# Allegro board 8880F5-0824_updates.brd (continued)
## Routing (per net, layer and track width the routed paths; a pad name or vN(x,y) marks a point on that pad's centre or on a via; arc(x,y) is an arc through that point) (continued)
D10708: length 833.7
  TOP w0.086: SITE4.80 343.98,190.03 344.06,189.95 349.1,189.95 349.92,190.77 355.78,190.77 v1(356.24,191.23)
  L07_SIGNAL w0.071: v1(409.21,157.67) 408.74,157.2 408.74,155.92 398.81,145.99 398.81,125.73 400.56,123.97 413.94,123.97 429.86,108.05 482.92,108.05 483.49,108.62 483.49,109.29 482.85,109.93 438.17,109.93 437.12,110.98 437.12,112.17 438.24,113.3 511.84,113.3 519.08,106.06 519.08,63.57 516.8,61.29 510.47,61.29 507.49,58.31 507.49,56.59 506.51,55.6 444.21,55.6 443.41,54.8 443.41,53.32 444.21,52.51 518.44,52.51 519.11,51.85 519.11,51 518.44,50.34 443.9,50.34 443.21,49.65 443.21,49.25 443.8,48.66 464.24,48.66 464.69,48.2 464.69,47.42 464.1,46.83 442.66,46.83 441.61,47.89 441.61,53.75 428.51,66.85 428.51,87.08 422.15,93.43 379.98,93.43 373.51,86.96 373.51,68.79 379.59,62.71 395.98,62.71 396.72,61.98 396.72,60.48 D107.08
  L30_SIGNAL w0.071: v1(356.24,191.23) 356.72,190.76 361.04,190.76 364.09,187.71 367.52,187.71 370.88,184.35 400.22,184.35 403.23,181.35 403.23,163.54 406.88,159.89 408.32,159.89 408.74,159.46 408.74,158.14 v1(409.21,157.67)
D10709: length 833.7
  TOP w0.086: SITE4.102 334.23,197.78 334.15,197.86 334.15,202.58 335.64,204.07 335.64,208.51 v1(336.07,208.93)
  L05_SIGNAL w0.071: D107.09 403.22,53.98 403.22,49.89 405.32,47.79 424.12,47.79 452.17,19.73 499.22,19.73 503.3,15.65 560.45,15.65 566.08,21.28 566.08,239.9 562.64,243.34 509.54,243.34 507.58,241.37 507.58,239.41 509.62,237.37 562.46,237.37 563.16,236.67 563.16,234.81 562.14,233.79 487.98,233.79 484.14,229.95 484.14,227.42 483.54,226.82 473.87,226.82 472.05,228.64 443.4,228.64 440.3,225.54 440.3,186.24 432.75,178.69 418.15,178.69 414.33,182.52 413.29,182.52 v1(412.81,182.99)
  L32_SIGNAL w0.071: v1(412.81,182.99) 412.32,182.5 410.13,182.5 405.46,187.17 405.46,188.6 404.54,189.52 369.32,189.52 367.12,191.71 362.46,191.71 361.14,190.4 359.68,190.4 357.4,192.67 348.22,192.67 335.6,205.3 335.6,208.46 v1(336.07,208.93)
D10710: length 833.7
  TOP w0.086: v1(359.29,187.66) 358.84,188.11 344.06,188.11 343.98,188.03 SITE4.75
  L07_SIGNAL w0.071: v1(421.02,160.85) 421.5,160.37 421.5,159.71 422.1,159.1 437.85,159.1 444.44,152.51 444.44,128.31 450.77,121.98 519.53,121.98 526.96,114.55 526.96,27.12 526.09,26.25 521.14,26.25 520.03,25.14 520.03,24.13 520.85,23.31 525.36,23.31 525.84,22.83 525.84,22.17 524.96,21.29 440.3,21.29 439.81,20.8 439.81,20.26 440.31,19.75 523.13,19.75 524.03,18.85 524.03,17.73 523.12,16.83 518.3,16.83 517.83,16.36 517.83,15.57 518.27,15.14 519.91,15.14 520.4,14.65 520.4,14.11 520.05,13.75 448.52,13.75 447.74,12.97 447.74,12.19 448.37,11.57 516.3,11.57 516.9,10.96 516.9,10.39 516.47,9.96 448.76,9.96 435.6,23.12 435.6,50.11 423.01,62.71 407.11,62.71 406.66,62.27 406.66,61.16 406.02,60.52 405.96,60.52 D107.10
  L30_SIGNAL w0.071: v1(421.02,160.85) 421.5,161.32 421.5,162.24 421.07,162.68 418.82,162.68 418.3,162.16 418.3,159.59 414.98,156.26 405.77,156.26 399.36,162.67 399.36,180.64 398.02,181.98 367.67,181.98 361.53,188.13 359.76,188.13 v1(359.29,187.66)
D10711: length 833.7
  TOP w0.086: SITE4.103 333.83,197.78 333.91,197.86 333.91,202.68 335.4,204.17 335.4,208.46 v1(334.93,208.93)
  L05_SIGNAL w0.071: v1(412.81,181.84) 413.29,182.32 414.25,182.32 418.07,178.5 432.83,178.5 440.5,186.16 440.5,225.46 443.48,228.44 471.97,228.44 473.79,226.62 483.62,226.62 484.34,227.34 484.34,229.87 488.07,233.59 562.23,233.59 563.36,234.73 563.36,236.75 562.54,237.57 509.7,237.57 507.78,239.49 507.78,241.29 509.63,243.14 562.55,243.14 565.88,239.82 565.88,21.36 560.37,15.85 503.38,15.85 499.3,19.93 452.25,19.93 424.2,47.98 405.41,47.98 403.42,49.97 403.42,53.22 404.1,53.91 404.43,53.91 D107.11
  L32_SIGNAL w0.071: v1(334.93,208.93) 335.4,208.46 335.4,205.22 348.14,192.47 357.32,192.47 359.6,190.2 361.23,190.2 362.54,191.52 367.04,191.52 369.23,189.32 404.45,189.32 405.26,188.51 405.26,187.08 410.05,182.3 412.36,182.3 v1(412.81,181.84)
D10712: length 833.7
  TOP w0.086: v1(359.29,188.8) 358.84,188.35 344.06,188.35 343.98,188.43 SITE4.76
  L07_SIGNAL w0.071: v1(422.17,160.85) 421.7,160.37 421.7,159.79 422.18,159.3 437.93,159.3 444.64,152.59 444.64,128.4 450.85,122.18 519.61,122.18 527.16,114.63 527.16,27.03 526.18,26.05 521.22,26.05 520.23,25.06 520.23,24.22 520.94,23.51 525.44,23.51 526.03,22.91 526.03,22.09 525.04,21.09 440.38,21.09 440,20.72 440,20.34 440.39,19.95 523.21,19.95 524.23,18.93 524.23,17.65 523.21,16.63 518.38,16.63 518.03,16.28 518.03,15.66 518.35,15.34 519.99,15.34 520.6,14.73 520.6,14.02 520.13,13.56 448.61,13.56 447.94,12.89 447.94,12.27 448.45,11.77 516.38,11.77 517.1,11.04 517.1,10.31 516.55,9.76 448.68,9.76 435.4,23.03 435.4,50.03 422.92,62.51 407.19,62.51 406.86,62.18 406.86,60.5 D107.12
  L30_SIGNAL w0.071: v1(359.29,188.8) 359.76,188.33 361.61,188.33 367.76,182.18 398.1,182.18 399.56,180.72 399.56,162.76 405.86,156.46 414.9,156.46 418.11,159.67 418.11,162.24 418.74,162.87 421.15,162.87 421.7,162.32 421.7,161.31 v1(422.17,160.85)
D10713: length 833.7
  TOP w0.086: v1(345.72,207.21) 345.28,206.78 345.28,206.31 344.35,205.37 344.35,204.04 338.55,198.23 338.55,197.86 338.63,197.78 SITE4.91
  L05_SIGNAL w0.071: v1(421.53,157.67) 422,158.14 422,159.27 422.49,159.76 423.92,159.76 426.21,162.05 426.21,167.75 444.09,185.63 444.09,219.12 445.96,221 460.3,221 461.37,222.07 461.37,222.96 462.52,224.11 546.38,224.11 547.55,225.28 547.55,226.95 546.31,228.18 494.44,228.18 493.88,228.75 493.88,231.13 494.92,232.18 562.29,232.18 563.83,230.64 563.83,30.77 555.75,22.69 453.57,22.69 427.4,48.86 416.28,48.86 412.79,52.34 412.79,54.57 D107.13
  L32_SIGNAL w0.071: v1(421.53,157.67) 422,157.2 422,155.99 424.45,153.55 426.35,153.55 427.64,154.84 427.64,192.52 420.47,199.7 362.99,199.7 361.11,201.58 355.31,201.58 353.06,199.33 346.22,199.33 345.24,200.31 345.24,206.74 v1(345.72,207.21)
D10714: length 594.9
  L07_SIGNAL w0.071: v1(421.02,174.43) 421.43,174.43 421.5,174.36 421.5,172.59 430.97,163.12 437.04,163.12 447.22,152.95 447.22,128.93 453.37,122.77 520.02,122.77 528.49,114.29 528.49,19.86 516.95,8.31 448.15,8.31 434.08,22.38 434.08,49.33 421.27,62.15 416.65,62.15 416.19,61.68 416.19,60.59 D107.14
  L30_SIGNAL w0.071: v1(421.02,174.43) 421.5,173.96 421.5,173.04 426.91,167.62 426.91,135.65 416.34,125.08 401.59,125.08 388.53,138.14 357.01,138.14 355.95,137.09 353.41,137.09 350.43,140.07 350.43,142.28 344.46,148.24 340.59,148.24 339.16,146.81 317.71,146.81 313.69,142.79 307.8,142.79 305.86,140.86 305.86,137.52 307.85,135.54 309.6,135.54 310.01,135.13 v1(310.01,131.64)
D10715: length 833.7
  TOP w0.086: SITE4.92 338.23,197.78 338.31,197.86 338.31,198.33 344.11,204.13 344.11,205.47 345.04,206.4 345.04,206.74 v1(344.57,207.21)
  L05_SIGNAL w0.071: D107.15 415.66,54.98 413.91,54.98 412.99,54.07 412.99,52.42 416.36,49.06 427.49,49.06 453.65,22.89 555.67,22.89 563.63,30.85 563.63,230.56 562.21,231.98 495.01,231.98 494.08,231.05 494.08,228.83 494.52,228.38 546.39,228.38 547.75,227.03 547.75,225.2 546.46,223.91 462.6,223.91 461.57,222.88 461.57,221.98 460.38,220.8 446.04,220.8 444.29,219.04 444.29,185.54 426.41,167.67 426.41,161.97 424,159.56 422.57,159.56 422.2,159.19 422.2,158.14 v1(422.68,157.67)
  L32_SIGNAL w0.071: v1(422.68,157.67) 422.2,157.2 422.2,156.07 424.53,153.74 426.27,153.74 427.44,154.92 427.44,192.44 420.38,199.5 362.9,199.5 361.02,201.38 355.39,201.38 353.15,199.13 346.14,199.13 345.04,200.23 345.04,206.74 v1(344.57,207.21)
D10716: length 594.9
  L07_SIGNAL w0.071: v1(422.17,174.43) 421.77,174.43 421.7,174.36 421.7,172.68 431.05,163.32 437.12,163.32 447.41,153.03 447.41,129.01 453.45,122.97 520.1,122.97 528.69,114.37 528.69,19.77 517.03,8.12 448.07,8.12 433.88,22.3 433.88,49.25 421.19,61.95 416.74,61.95 416.38,61.6 416.38,60.93 417.59,59.73 417.79,59.73 D107.16
  L30_SIGNAL w0.071: v1(310.01,139.64) 310.01,136.15 309.59,135.74 307.93,135.74 306.06,137.6 306.06,140.78 307.88,142.6 313.77,142.6 317.79,146.61 339.24,146.61 340.67,148.05 344.38,148.05 350.23,142.2 350.23,139.99 353.33,136.89 356.03,136.89 357.09,137.94 388.45,137.94 401.51,124.88 416.43,124.88 427.11,135.57 427.11,167.7 421.7,173.12 421.7,173.96 v1(422.17,174.43)
D10801: length 457
  TOP w0.086: v1(314.6,158.8) 315.24,158.8 323.91,167.47 323.91,171.4 323.83,171.48 SITE4.5
  L03_SIGNAL w0.071: v1(386.52,196.45) 387,195.98 387.43,195.98 388.06,195.35 388.06,190.1 385.09,187.13 385.09,142.58 385.48,142.19 385.48,126.98 373.28,114.78 373.28,32.53 376.14,29.67 382.76,29.67 383.66,30.57 383.66,33.26 382.97,33.94 382.62,33.94 D108.01
  L28_SIGNAL w0.071: v1(386.52,196.45) 386.05,195.98 384.77,195.98 383.29,197.46 374.51,197.46 372.31,199.66 370.15,199.66 365.39,204.43 358.52,204.43 352.94,198.84 336.87,198.84 334.47,201.24 321.54,201.24 310.68,212.1 306.01,212.1 298.49,219.62 271.81,219.62 271.06,218.86 271.06,216.89 271.89,216.05 283.25,216.05 283.58,215.72 283.58,212.89 282.79,212.1 276.92,212.1 276.39,211.56 276.39,202.12 274.14,199.87 274.14,170.07 287.7,156.51 309.83,156.51 313.47,160.16 315.21,160.16 315.63,159.74 315.63,159.16 315.27,158.8 v1(314.6,158.8)
D10802: length 457
  TOP w0.086: SITE4.16 328.23,171.48 328.15,171.4 328.15,163.18 329.68,161.65 329.68,157.05 v1(330.13,156.61)
  L03_SIGNAL w0.071: D108.02 384.8,39.36 386.23,39.36 386.56,39.69 386.56,42.8 384.57,44.78 379.53,44.78 375.9,48.41 375.9,112.51 387.7,124.31 387.7,141.3 385.99,143.01 385.99,181.01 391.08,186.1 391.08,195.17 390.47,195.78 389.92,195.78 v1(389.45,195.31)
  L28_SIGNAL w0.071: v1(389.45,195.31) 389.92,195.78 391.23,195.78 392.75,197.3 459.98,197.3 461.01,196.27 461.01,157.03 451.38,147.41 451.38,142 447.15,137.77 357.94,137.77 354.35,141.36 343.62,141.36 329.66,155.32 329.66,156.13 v1(330.13,156.61)
D10803: length 457
  TOP w0.086: SITE4.6 324.23,171.48 324.15,171.4 324.15,167.37 315.41,158.63 v1(315.41,157.99)
  L03_SIGNAL w0.071: D108.03 383.86,33.34 383.86,30.49 382.84,29.47 376.06,29.47 373.08,32.45 373.08,114.86 385.28,127.06 385.28,142.11 384.9,142.5 384.9,187.22 387.86,190.18 387.86,195.26 387.34,195.78 387,195.78 v1(386.52,195.31)
  L28_SIGNAL w0.071: v1(315.41,157.99) 315.41,158.66 315.82,159.08 315.82,159.83 315.3,160.35 313.39,160.35 309.74,156.71 287.78,156.71 274.34,170.15 274.34,199.79 276.59,202.04 276.59,211.48 277,211.9 282.88,211.9 283.78,212.8 283.78,215.8 283.33,216.25 271.97,216.25 271.25,216.97 271.25,218.78 271.89,219.42 298.41,219.42 305.92,211.9 310.59,211.9 321.46,201.04 334.39,201.04 336.79,198.64 353.02,198.64 358.61,204.23 365.31,204.23 370.07,199.46 372.22,199.46 374.42,197.26 383.21,197.26 384.69,195.78 386.05,195.78 v1(386.52,195.31)
D10804: length 457
  TOP w0.086: SITE4.15 327.83,171.48 327.91,171.4 327.91,163.08 329.45,161.55 329.45,157.06 v1(328.99,156.61)
  L03_SIGNAL w0.071: D108.04 386.76,39.96 386.76,42.88 384.65,44.98 379.61,44.98 376.1,48.49 376.1,112.43 387.9,124.22 387.9,141.38 386.19,143.09 386.19,180.93 391.28,186.01 391.28,195.25 390.55,195.98 389.92,195.98 v1(389.45,196.45)
  L28_SIGNAL w0.071: v1(389.45,196.45) 389.92,195.98 391.14,195.98 392.67,197.5 460.06,197.5 461.21,196.36 461.21,156.95 451.58,147.32 451.58,141.92 447.23,137.57 357.86,137.57 354.27,141.16 343.54,141.16 329.46,155.24 329.46,156.13 v1(328.99,156.61)
D10805: length 413.5
  TOP w0.086: v1(305.46,173.61) 305.91,173.16 315.09,173.16 317.01,175.08 317.01,175.98 317.38,176.35 317.6,176.35 317.68,176.43 SITE4.175
  L03_SIGNAL w0.071: v1(381.15,160.59) 381.62,161.06 381.62,161.53 382.21,162.12 383.15,162.12 383.73,161.54 383.73,144.98 382.12,143.36 382.12,134.16 370.11,122.15 370.11,8.39 373.83,4.67 440.83,4.67 442.24,6.08 442.24,9.81 440.68,11.37 426.7,11.37 423.59,14.48 423.59,20.12 421.88,21.83 398.25,21.83 393.84,26.23 393.84,33.13 392.62,34.36 392.36,34.36 D108.05
  L28_SIGNAL w0.071: v1(305.46,173.61) 305.93,173.14 315.31,173.14 317.34,171.1 326.97,171.1 328.12,172.25 352.2,172.25 355.85,168.6 374.8,168.6 378.93,164.47 378.93,159.63 379.86,158.7 381.16,158.7 381.62,159.16 381.62,160.12 v1(381.15,160.59)
D10806: length 413.5
  TOP w0.086: SITE4.170 317.68,178.43 317.6,178.5 308.77,178.5 v1(308.38,178.12)
  L03_SIGNAL w0.071: D108.06 395.77,40.17 395.77,41.49 387.96,49.3 380.79,49.3 378.63,51.46 378.63,89.43 387.04,97.84 393.32,97.84 396.03,100.55 396.03,110.42 397.26,111.65 397.26,116.28 395.33,118.21 395.33,141.04 396.33,142.04 396.33,158.07 395.63,158.77 392.99,158.77 391.96,157.74 391.96,145.91 392.66,145.21 392.66,117.33 393.71,116.28 393.71,113.57 392.66,112.52 392.66,103.75 391.98,103.07 390.19,103.07 389.46,103.8 389.46,111.41 388.52,112.35 388.52,119.42 389.26,120.16 389.26,141.89 388.66,142.48 388.66,145.75 389.38,146.47 389.38,175.97 393.08,179.67 394.19,179.67 395.03,178.83 395.03,177.83 v1(395.5,177.36)
  L28_SIGNAL w0.071: v1(308.38,178.12) 308.85,178.59 333.06,178.59 335.48,181.01 335.48,189.72 336.71,190.95 346.42,190.95 348.96,188.42 348.96,180.53 351.32,178.17 360.34,178.17 361.66,176.84 368.26,176.84 369.59,178.17 387.99,178.17 390.99,175.17 393.79,175.17 395.03,176.41 395.03,176.88 v1(395.5,177.36)
D10807: length 413.5
  TOP w0.086: SITE4.176 317.68,176.03 317.6,176.11 317.48,176.11 317.25,175.88 317.25,174.98 315.19,172.92 305.91,172.92 v1(305.46,172.46)
  L03_SIGNAL w0.071: v1(382.29,160.59) 381.82,161.06 381.82,161.45 382.29,161.92 383.07,161.92 383.53,161.46 383.53,145.06 381.92,143.45 381.92,134.24 369.91,122.24 369.91,8.31 373.74,4.48 440.91,4.48 442.44,6 442.44,9.89 440.76,11.57 426.78,11.57 423.79,14.57 423.79,20.2 421.96,22.03 398.33,22.03 394.04,26.32 394.04,33.36 D108.07
  L28_SIGNAL w0.071: v1(305.46,172.46) 305.93,172.94 315.23,172.94 317.26,170.9 327.06,170.9 328.2,172.05 352.12,172.05 355.76,168.4 374.72,168.4 378.73,164.39 378.73,159.55 379.78,158.5 381.24,158.5 381.82,159.07 381.82,160.12 v1(382.29,160.59)
D10808: length 413.5
  TOP w0.086: SITE4.169 317.68,178.83 317.59,178.74 308.9,178.74 v1(308.38,179.26)
  L03_SIGNAL w0.071: v1(394.35,177.36) 394.83,177.83 394.83,178.74 394.1,179.47 393.16,179.47 389.58,175.89 389.58,146.39 388.86,145.67 388.86,142.57 389.46,141.97 389.46,120.08 388.72,119.34 388.72,112.44 389.66,111.49 389.66,103.88 390.27,103.27 391.9,103.27 392.47,103.84 392.47,112.61 393.52,113.66 393.52,116.19 392.47,117.24 392.47,145.12 391.76,145.83 391.76,157.82 392.91,158.97 395.71,158.97 396.53,158.15 396.53,141.96 395.53,140.96 395.53,118.29 397.46,116.36 397.46,111.57 396.23,110.34 396.23,100.47 393.4,97.64 387.12,97.64 378.82,89.35 378.82,51.54 380.87,49.5 388.04,49.5 395.97,41.57 395.97,39.85 396.31,39.52 397.36,39.52 D108.08
  L28_SIGNAL w0.071: v1(394.35,177.36) 394.83,176.88 394.83,176.49 393.71,175.37 391.07,175.37 388.07,178.37 369.5,178.37 368.18,177.04 361.75,177.04 360.42,178.37 351.4,178.37 349.15,180.61 349.15,188.51 346.51,191.15 336.63,191.15 335.28,189.81 335.28,181.1 332.97,178.79 308.85,178.79 v1(308.38,179.26)
D10809: length 413.5
  TOP w0.086: SITE4.2 322.63,171.48 322.55,171.4 322.55,171.18 322.13,170.76 314.03,170.76 313.52,170.25 308.97,170.25 v1(308.51,169.79)
  L03_SIGNAL w0.071: v1(408.96,190.94) 408.49,190.47 408.49,189.39 410.3,187.58 431.9,187.58 449.17,170.3 449.17,29.94 442.9,23.67 406.76,23.67 403.05,27.38 403.05,33.76 403.05,33.83 D108.09
  L28_SIGNAL w0.071: v1(408.96,190.94) 408.49,190.47 408.49,189.31 410.24,187.57 410.24,156.81 409.96,156.53 378.75,156.53 376.17,159.11 376.17,163.91 374.63,165.46 357.08,165.46 352.35,170.19 340.37,170.19 338.67,168.48 317.86,168.48 316.08,170.26 308.98,170.26 v1(308.51,169.79)
D10810: length 413.5
  TOP w0.086: SITE4.168 317.68,179.23 317.6,179.31 313.34,179.31 312.15,180.5 305.84,180.5 v1(305.36,180.02)
  L03_SIGNAL w0.071: D108.10 405.96,40.2 406.21,40.2 406.52,40.52 406.52,46.07 411.07,50.62 421.15,50.62 423.52,52.98 423.52,91.55 401.14,113.93 401.14,143.74 403.15,145.75 403.15,188.32 398.52,192.94 395.91,192.94 395.03,192.06 395.03,191.42 395.02,191.42 v1(395.5,190.94)
  L28_SIGNAL w0.071: v1(305.36,180.02) 305.83,180.49 307.75,180.49 308.33,181.07 308.33,182.91 307.65,183.59 303.84,183.59 303.06,182.81 303.06,165.51 301.79,164.24 287.56,164.24 281.08,170.72 281.08,204.32 282.14,205.38 286.08,205.38 286.89,206.18 300.63,206.18 310.44,196.38 347.79,196.38 355.6,188.57 357.53,188.57 358.91,189.95 360.58,189.95 362.37,188.17 368.03,188.17 368.85,188.99 394.23,188.99 395.03,189.79 395.03,190.47 v1(395.5,190.94)
D10811: length 413.5
  TOP w0.086: SITE4.1 322.23,171.48 322.31,171.4 322.31,171.28 322.03,171 313.93,171 313.42,170.49 308.95,170.49 v1(308.51,170.93)
  L03_SIGNAL w0.071: v1(407.82,190.94) 408.29,190.47 408.29,189.31 410.21,187.38 431.81,187.38 448.98,170.22 448.98,30.02 442.82,23.86 406.84,23.86 403.25,27.46 403.25,33.78 403.69,34.22 405.06,34.22 D108.11
  L28_SIGNAL w0.071: v1(308.51,170.93) 308.98,170.46 316.16,170.46 317.94,168.68 338.59,168.68 340.29,170.38 352.44,170.38 357.17,165.65 374.71,165.65 376.37,164 376.37,159.2 378.83,156.73 409.87,156.73 410.04,156.89 410.04,187.48 408.29,189.23 408.29,190.47 v1(407.82,190.94)
D10812: length 413.5
  TOP w0.086: v1(305.36,181.16) 305.78,180.74 312.25,180.74 313.44,179.55 317.6,179.55 317.68,179.63 SITE4.167
  L03_SIGNAL w0.071: v1(394.35,190.94) 394.83,191.42 394.83,192.14 395.82,193.14 398.61,193.14 403.35,188.4 403.35,145.67 401.34,143.66 401.34,114.01 423.72,91.63 423.72,52.9 421.24,50.42 411.15,50.42 406.72,45.99 406.72,40.32 D108.12
  L28_SIGNAL w0.071: v1(305.36,181.16) 305.83,180.69 307.67,180.69 308.13,181.15 308.13,182.83 307.57,183.4 303.92,183.4 303.26,182.73 303.26,165.43 301.87,164.04 287.47,164.04 280.88,170.63 280.88,204.4 282.06,205.57 286,205.57 286.8,206.38 300.72,206.38 310.52,196.58 347.87,196.58 355.68,188.77 357.45,188.77 358.83,190.15 360.67,190.15 362.45,188.37 367.95,188.37 368.77,189.19 394.15,189.19 394.83,189.87 394.83,190.47 v1(394.35,190.94)
D10813: length 413.5
  TOP w0.086: SITE4.174 317.68,176.83 317.6,176.91 316.1,176.91 314.04,174.85 308.85,174.85 v1(308.4,174.39)
  L03_SIGNAL w0.071: v1(408.96,177.36) 408.49,176.88 408.49,176.36 412.08,172.77 442.15,172.77 446.27,168.65 446.27,29.99 445.13,28.85 443.63,28.85 442.14,30.34 442.14,64.25 440.67,65.71 438.76,65.71 437.47,64.43 437.47,29.47 433.91,25.91 417.25,25.91 413.47,29.69 413.47,33.57 D108.13
  L28_SIGNAL w0.071: v1(408.96,177.36) 408.49,176.88 408.49,175.62 407.98,175.12 406.69,175.12 401.91,170.33 368.99,170.33 368.09,169.44 365.95,169.44 365.05,170.33 355.38,170.33 352.69,173.03 317.3,173.03 315.46,174.87 308.87,174.87 v1(308.4,174.39)
D10814: length 457
  TOP w0.086: v1(327.8,158.55) 327.35,159 327.35,171.4 327.43,171.48 SITE4.14
  L03_SIGNAL w0.071: D108.14 415.56,39.64 416.32,39.64 416.73,40.05 416.73,45.38 418.69,47.35 426.58,47.35 434.25,55.01 434.25,93.77 411.72,116.3 411.72,163.82 406.77,168.76 406.77,193.72 404.72,195.78 403.51,195.78 v1(403.03,195.31)
  L28_SIGNAL w0.071: v1(327.8,158.55) 327.33,159.02 327.33,159.27 327.65,159.6 330.83,159.6 337.3,153.12 356.58,153.12 357.88,154.42 373.09,154.42 374.39,153.12 434.59,153.12 438,156.54 438,162.02 439.98,164 442.08,164 444.11,161.97 444.11,142.79 445.59,141.31 448.68,141.31 449.71,142.34 449.71,191.47 447.18,194 402.15,194 401.7,194.45 401.7,195.3 402.17,195.78 402.56,195.78 v1(403.03,195.31)
D10815: length 413.5
  TOP w0.086: v1(308.4,175.54) 308.85,175.08 313.94,175.08 316,177.15 317.6,177.15 317.68,177.23 SITE4.173
  L03_SIGNAL w0.071: D108.15 415.06,34.06 414.05,34.06 413.67,33.68 413.67,29.77 417.33,26.11 433.83,26.11 437.28,29.56 437.28,64.51 438.68,65.91 440.75,65.91 442.33,64.33 442.33,30.42 443.71,29.04 445.05,29.04 446.07,30.07 446.07,168.56 442.06,172.57 411.99,172.57 408.29,176.28 408.29,176.88 v1(407.82,177.36)
  L28_SIGNAL w0.071: v1(308.4,175.54) 308.87,175.06 315.55,175.06 317.39,173.22 352.77,173.22 355.46,170.53 365.13,170.53 366.03,169.63 368.01,169.63 368.9,170.53 401.83,170.53 406.61,175.31 407.9,175.31 408.29,175.71 408.29,176.88 v1(407.82,177.36)
D10816: length 457
  TOP w0.086: SITE4.13 327.03,171.48 327.11,171.4 327.11,159 v1(326.65,158.55)
  L03_SIGNAL w0.071: D108.16 416.92,40.28 416.92,45.3 418.77,47.15 426.66,47.15 434.45,54.93 434.45,93.85 411.91,116.38 411.91,163.9 406.97,168.84 406.97,193.81 404.8,195.98 403.51,195.98 v1(403.03,196.45)
  L28_SIGNAL w0.071: v1(326.65,158.55) 327.13,159.02 327.13,159.36 327.57,159.8 330.91,159.8 337.39,153.32 356.5,153.32 357.8,154.62 373.18,154.62 374.48,153.32 434.51,153.32 437.8,156.62 437.8,162.1 439.9,164.2 442.16,164.2 444.31,162.05 444.31,142.87 445.67,141.51 448.6,141.51 449.51,142.42 449.51,191.39 447.1,193.8 402.07,193.8 401.5,194.37 401.5,195.39 402.09,195.98 402.56,195.98 v1(403.03,196.45)
D10901: length 413.5
  TOP w0.086: v1(305.46,232.46) 305.91,232.92 315.19,232.92 317.25,234.98 317.25,235.88 317.48,236.11 317.6,236.11 317.68,236.03 SITE2.176
  L03_SIGNAL w0.071: D109.01 420.4,333.98 419.46,333.98 418.67,334.77 418.67,336.66 421.66,339.64 455.82,339.64 481.56,313.9 481.56,250.2 473.28,241.91 473.28,211.69 468.78,207.19 422.57,207.19 418.76,211 396.77,211 386.95,201.17 383.48,201.17 382.83,201.82 382.83,205.84 382.83,205.84 v1(383.31,206.31)
  L28_SIGNAL w0.071: v1(383.31,206.31) 382.83,205.84 382.83,204.51 382.36,204.04 381.46,204.04 379.66,205.84 379.66,222.03 376.25,225.43 361.49,225.43 355.52,219.46 344.69,219.46 340.99,223.17 340.99,225.62 334.6,232.01 328.79,232.01 327.72,230.94 317.5,230.94 315.51,232.94 305.93,232.94 v1(305.46,232.46)
D10902: length 413.5
  TOP w0.086: SITE2.168 317.68,239.23 317.6,239.31 313.34,239.31 312.15,240.5 305.84,240.5 v1(305.36,240.02)
  L03_SIGNAL w0.071: v1(403.63,235.9) 403.15,236.37 403.15,236.97 403.45,237.26 406.26,237.26 408.29,235.23 408.29,216.34 411.12,213.51 423.85,213.51 429.45,219.11 437.6,219.11 443.53,213.18 468.64,213.18 469.9,214.44 469.9,223.89 468.61,225.18 466.18,225.18 465.09,226.27 465.09,230.49 467.24,232.64 467.24,234.65 466.84,235.05 466.84,301.69 473.48,308.33 473.48,318.69 466.7,325.47 417.83,325.47 416.85,326.44 416.85,327.95 D109.02
  L28_SIGNAL w0.071: v1(403.63,235.9) 403.15,235.43 403.15,234.71 402.66,234.21 401.67,234.21 400.89,234.99 400.89,239.83 398.34,242.39 387.8,242.39 379.77,234.35 354.11,234.35 348.78,239.68 348.78,250.14 347.04,251.89 336.38,251.89 333.58,249.08 327.82,249.08 325.08,246.34 320.66,246.34 319.35,245.03 319.35,243 318.24,241.88 312.96,241.88 311.57,240.49 305.83,240.49 v1(305.36,240.02)
D10903: length 413.5
  TOP w0.086: SITE2.175 317.68,236.43 317.6,236.35 317.38,236.35 317.01,235.98 317.01,235.08 315.09,233.16 305.91,233.16 v1(305.46,233.61)
  L03_SIGNAL w0.071: D109.03 418.47,334.65 418.47,336.74 421.58,339.84 455.9,339.84 481.76,313.98 481.76,250.12 473.48,241.83 473.48,211.61 468.86,206.99 422.49,206.99 418.68,210.8 396.85,210.8 387.03,200.98 383.4,200.98 382.63,201.74 382.63,205.84 v1(382.16,206.31)
  L28_SIGNAL w0.071: v1(382.16,206.31) 382.63,205.84 382.63,204.59 382.28,204.23 381.54,204.23 379.85,205.92 379.85,222.11 376.34,225.63 361.41,225.63 355.44,219.66 344.78,219.66 341.19,223.25 341.19,225.7 334.68,232.21 328.71,232.21 327.64,231.14 317.58,231.14 315.59,233.14 305.93,233.14 v1(305.46,233.61)
D10904: length 413.5
  TOP w0.086: SITE2.167 317.68,239.63 317.6,239.55 313.44,239.55 312.25,240.74 305.78,240.74 v1(305.36,241.16)
  L03_SIGNAL w0.071: v1(402.48,235.9) 402.95,236.37 402.95,237.05 403.36,237.46 406.34,237.46 408.49,235.31 408.49,216.42 411.21,213.71 423.77,213.71 429.37,219.31 437.68,219.31 443.61,213.38 468.56,213.38 469.7,214.52 469.7,223.8 468.52,224.99 466.1,224.99 464.89,226.19 464.89,230.57 467.04,232.72 467.04,234.57 466.64,234.97 466.64,301.77 473.28,308.42 473.28,318.61 466.62,325.27 417.75,325.27 416.66,326.36 416.66,327.92 415.62,328.95 415.27,328.95 D109.04
  L28_SIGNAL w0.071: v1(402.48,235.9) 402.95,235.43 402.95,234.79 402.57,234.41 401.76,234.41 401.09,235.08 401.09,239.92 398.42,242.59 387.72,242.59 379.69,234.55 354.19,234.55 348.98,239.76 348.98,250.23 347.12,252.08 336.3,252.08 333.49,249.28 327.73,249.28 324.99,246.53 320.58,246.53 319.15,245.11 319.15,243.08 318.16,242.08 312.88,242.08 311.49,240.69 305.83,240.69 v1(305.36,241.16)
D10905: length 413.5
  TOP w0.086: v1(308.4,234.39) 308.85,234.85 314.04,234.85 316.1,236.91 317.6,236.91 317.68,236.83 SITE2.174
  L03_SIGNAL w0.071: v1(396.77,206.57) 396.3,206.09 396.3,205.33 397.13,204.49 468.27,204.49 473.68,209.9 479.72,209.9 484.07,214.25 484.07,216.13 484.59,216.65 484.59,221.72 484.23,222.08 484.23,229.84 484.94,230.54 484.94,244.67 483.97,245.64 483.97,314.76 456.62,342.11 411.45,342.11 408.32,338.98 408.32,335.23 409.43,334.12 410.1,334.12 D109.05
  L28_SIGNAL w0.071: v1(308.4,234.39) 308.87,234.87 316.32,234.87 318.3,232.88 335.35,232.88 338.58,229.65 374.58,229.65 381.07,223.16 381.07,213.9 382.17,212.8 390.37,212.8 393.21,209.95 393.21,206.1 394.66,204.66 395.8,204.66 396.29,205.15 396.29,206.09 v1(396.77,206.57)
D10906: length 413.5
  TOP w0.086: SITE2.170 317.68,238.43 317.6,238.5 308.77,238.5 v1(308.38,238.12)
  L03_SIGNAL w0.071: v1(403.63,222.31) 403.15,222.79 403.15,224.22 399.96,227.41 399.96,237.64 401.82,239.49 407.12,239.49 411.61,235 411.61,223.73 414.81,220.53 443.81,220.53 448.31,225.03 448.31,303.05 451.47,306.21 454.66,306.21 460.09,311.64 460.09,318.95 456.11,322.93 445.01,322.93 438.86,316.78 438.86,312.13 436.11,309.37 419.87,309.37 406.57,322.66 406.57,327.83 D109.06
  L28_SIGNAL w0.071: v1(308.38,238.12) 308.85,238.59 333.88,238.59 336.11,240.82 336.11,249.25 337.47,250.61 341.21,250.61 342.78,249.04 342.78,235.49 344.75,233.52 379.3,233.52 385.91,226.91 385.91,218.38 388.1,216.19 391.65,216.19 394.48,219.01 394.48,221.68 395.6,222.8 397.82,222.8 399.62,221 399.62,219.74 400.56,218.8 402.09,218.8 403.15,219.87 403.15,221.84 v1(403.63,222.31)
D10907: length 413.5
  TOP w0.086: v1(308.4,235.54) 308.85,235.08 313.94,235.08 316,237.15 317.6,237.15 317.68,237.23 SITE2.173
  L03_SIGNAL w0.071: D109.07 408.12,334.46 408.12,339.06 411.37,342.31 456.7,342.31 484.16,314.84 484.16,245.72 485.13,244.75 485.13,230.46 484.43,229.76 484.43,222.16 484.79,221.8 484.79,216.57 484.27,216.05 484.27,214.17 479.8,209.7 473.76,209.7 468.35,204.29 397.05,204.29 396.1,205.24 396.1,206.09 v1(395.62,206.57)
  L28_SIGNAL w0.071: v1(395.62,206.57) 396.1,206.09 396.1,205.23 395.72,204.86 394.74,204.86 393.41,206.19 393.41,210.04 390.45,213 382.25,213 381.27,213.98 381.27,223.24 374.66,229.85 338.66,229.85 335.43,233.08 318.38,233.08 316.4,235.06 308.87,235.06 v1(308.4,235.54)
D10908: length 413.5
  TOP w0.086: v1(308.38,239.26) 308.9,238.74 317.59,238.74 317.68,238.83 SITE2.169
  L03_SIGNAL w0.071: v1(402.48,222.31) 402.95,222.79 402.95,224.13 399.76,227.32 399.76,237.72 401.73,239.69 407.2,239.69 411.81,235.08 411.81,223.81 414.89,220.73 443.73,220.73 448.11,225.11 448.11,303.13 451.39,306.41 454.58,306.41 459.89,311.72 459.89,318.87 456.03,322.73 445.09,322.73 439.06,316.7 439.06,312.04 436.19,309.17 419.78,309.17 406.38,322.58 406.38,328.05 405.27,329.15 404.91,329.15 D109.08
  L28_SIGNAL w0.071: v1(402.48,222.31) 402.95,221.84 402.95,219.95 402,219 400.64,219 399.82,219.82 399.82,221.08 397.9,223 395.52,223 394.28,221.76 394.28,219.1 391.57,216.39 388.18,216.39 386.11,218.46 386.11,226.99 379.38,233.72 344.83,233.72 342.97,235.57 342.97,249.12 341.29,250.8 337.39,250.8 335.92,249.33 335.92,240.9 333.8,238.79 308.85,238.79 v1(308.38,239.26)
D10909: length 457
  TOP w0.086: v1(327.8,218.55) 327.35,218.99 327.35,231.4 327.43,231.48 SITE2.14
  L03_SIGNAL w0.071: D109.09 399.52,334.54 399.52,337.41 396.27,340.66 376.57,340.66 374.22,338.31 374.22,319.46 393.06,300.62 393.06,256.89 392.06,255.88 386.93,255.88 385.34,254.29 385.34,250.45 386.31,249.49 386.31,235.34 387.54,234.11 389.3,234.11 389.69,234.5 389.69,235.18 v1(390.16,235.65)
  L28_SIGNAL w0.071: v1(390.16,235.65) 389.69,235.18 389.69,233.97 388.12,232.39 388.12,219.21 388.81,218.52 391.12,218.52 392.27,219.66 392.27,221.1 395.27,224.1 404.58,224.1 407.15,221.52 407.15,206.24 408.71,204.68 418.95,204.68 422.83,208.57 422.83,230.8 426.95,234.91 444.85,234.91 448.37,231.4 448.37,206.58 444.39,202.6 402.44,202.6 401.14,201.3 380.21,201.3 375.42,206.09 375.42,213.82 373.39,215.85 342.11,215.85 341.48,216.49 338.32,216.49 334.95,219.86 327.93,219.86 327.33,219.25 327.33,219.02 v1(327.8,218.55)
D10910: length 413.5
  TOP w0.086: v1(308.51,229.79) 308.97,230.25 313.52,230.25 314.03,230.76 322.13,230.76 322.55,231.18 322.55,231.4 322.63,231.48 SITE2.2
  L03_SIGNAL w0.071: D109.10 396.75,328.17 396.75,323.17 428.31,291.6 428.31,264.18 430.22,262.28 432.66,262.28 434.14,263.76 434.14,283.01 436.94,285.81 441.67,285.81 444.19,283.29 444.19,227.73 440.32,223.87 427.26,223.87 423.54,227.59 423.54,239.25 419.54,243.25 399.38,243.25 397.75,241.62 397.75,224.33 396.3,222.88 396.3,220.63 v1(396.77,220.15)
  L28_SIGNAL w0.071: v1(396.77,220.15) 396.3,219.68 396.3,218.37 398.34,216.33 398.34,213.37 401.4,210.31 401.4,205.99 398.39,202.98 380.01,202.98 377.52,205.47 377.52,221.91 376.63,222.8 360.92,222.8 356.34,218.22 343.73,218.22 338.56,223.39 338.56,225.59 335.8,228.35 317.77,228.35 315.86,230.26 308.98,230.26 v1(308.51,229.79)
D10911: length 457
  TOP w0.086: SITE2.13 327.03,231.48 327.11,231.4 327.11,219 v1(326.65,218.55)
  L03_SIGNAL w0.071: D109.11 397.78,334.28 399.1,334.28 399.32,334.5 399.32,337.32 396.19,340.46 376.65,340.46 374.42,338.23 374.42,319.54 393.26,300.7 393.26,256.8 392.14,255.68 387.01,255.68 385.54,254.2 385.54,250.54 386.5,249.57 386.5,235.42 387.62,234.31 389.22,234.31 389.49,234.59 389.49,235.18 v1(389.02,235.65)
  L28_SIGNAL w0.071: v1(326.65,218.55) 327.13,219.02 327.13,219.33 327.85,220.06 335.03,220.06 338.4,216.68 341.56,216.68 342.2,216.05 373.47,216.05 375.62,213.9 375.62,206.18 380.29,201.5 401.06,201.5 402.36,202.8 444.31,202.8 448.17,206.66 448.17,231.31 444.77,234.71 427.03,234.71 423.03,230.71 423.03,208.49 419.03,204.49 408.62,204.49 406.95,206.16 406.95,221.44 404.49,223.9 395.35,223.9 392.46,221.01 392.46,219.58 391.2,218.32 388.73,218.32 387.92,219.13 387.92,232.48 389.49,234.05 389.49,235.18 v1(389.02,235.65)
D10912: length 413.5
  TOP w0.086: v1(308.51,230.93) 308.95,230.49 313.42,230.49 313.93,231 322.03,231 322.31,231.28 322.31,231.4 322.23,231.48 SITE2.1
  L03_SIGNAL w0.071: D109.12 395.01,328.89 395.67,328.89 396.55,328.01 396.55,323.08 428.12,291.52 428.12,264.1 430.13,262.08 432.74,262.08 434.34,263.68 434.34,282.93 437.02,285.61 441.59,285.61 443.99,283.21 443.99,227.82 440.24,224.07 427.34,224.07 423.74,227.67 423.74,239.33 419.62,243.45 399.3,243.45 397.55,241.71 397.55,224.41 396.1,222.96 396.1,220.63 v1(395.62,220.15)
  L28_SIGNAL w0.071: v1(308.51,230.93) 308.98,230.46 315.94,230.46 317.85,228.55 335.88,228.55 338.75,225.68 338.75,223.48 343.82,218.41 356.26,218.41 360.84,223 376.71,223 377.72,221.99 377.72,205.55 380.09,203.17 398.31,203.17 401.21,206.07 401.21,210.22 398.14,213.29 398.14,216.25 396.1,218.29 396.1,219.68 v1(395.62,220.15)
D10913: length 457
  TOP w0.086: SITE2.10 325.83,231.48 325.75,231.4 325.75,224.32 323.1,221.66 323.1,220.24 318.42,215.56 v1(318.42,214.92)
  L03_SIGNAL w0.071: D109.13 390.17,333.73 390.17,337.41 388.33,339.25 378.01,339.25 375.56,336.8 375.56,321.68 394.32,302.91 394.32,256.11 391.91,253.69 387.4,253.69 386.71,253 386.71,250.95 387.53,250.14 389.18,250.14 389.69,250.65 389.69,251.43 v1(390.16,251.9)
  L28_SIGNAL w0.071: v1(318.42,214.92) 317.75,214.92 316.86,214.03 307.22,214.03 296.75,224.5 296.75,236.72 295.8,237.67 294.73,237.67 294.08,237.02 294.08,223.8 293.48,223.21 290.74,223.21 289.94,224.01 289.94,263.01 289.12,263.83 287.11,263.83 286.35,263.08 286.35,224.01 285.62,223.27 284.2,223.27 283.53,223.94 283.53,263.75 287.74,267.97 299.65,267.97 310.89,256.72 348.37,256.72 356.36,248.73 357.55,248.73 359.24,250.42 364.11,250.42 366.91,247.62 384.68,247.62 386.39,249.33 386.39,252.87 387.55,254.02 389.11,254.02 389.69,253.44 389.69,252.38 v1(390.16,251.9)
D10914: length 457
  TOP w0.086: SITE2.12 326.63,231.48 326.55,231.4 326.55,223.72 325.23,222.4 325.23,217.05 v1(325.68,216.6)
  L03_SIGNAL w0.071: D109.14 387.32,328.9 386.5,328.9 385.15,327.55 385.15,321.84 397.7,309.29 397.7,248.17 389.69,240.16 389.69,238.79 v1(390.16,238.32)
  L28_SIGNAL w0.071: v1(325.68,216.6) 325.21,216.12 325.21,215.2 327.27,213.14 332.06,213.14 333.24,211.95 362.77,211.95 364.34,210.37 371.17,210.37 372.88,208.66 372.88,201.84 375.82,198.9 476.59,198.9 479.68,201.99 483.39,201.99 484.46,203.07 484.46,245.29 474,255.75 425.27,255.75 418.74,249.21 418.74,238 412.64,231.9 400.63,231.9 394.66,237.87 394.66,239.22 393.57,240.32 390.34,240.32 389.69,239.67 389.69,238.79 v1(390.16,238.32)
D10915: length 457
  TOP w0.086: v1(317.61,215.73) 318.25,215.73 322.86,220.34 322.86,221.76 325.51,224.41 325.51,231.4 325.43,231.48 SITE2.9
  L03_SIGNAL w0.071: v1(389.02,251.9) 389.49,251.43 389.49,250.73 389.1,250.33 387.61,250.33 386.91,251.04 386.91,252.92 387.48,253.49 391.99,253.49 394.52,256.02 394.52,303 375.76,321.76 375.76,336.72 378.09,339.06 388.25,339.06 389.97,337.33 389.97,334.16 389.65,333.83 387.17,333.83 D109.15
  L28_SIGNAL w0.071: v1(389.02,251.9) 389.49,252.38 389.49,253.36 389.03,253.82 387.63,253.82 386.59,252.79 386.59,249.25 384.76,247.42 366.83,247.42 364.03,250.22 359.32,250.22 357.63,248.53 356.27,248.53 348.28,256.52 310.81,256.52 299.56,267.77 287.82,267.77 283.73,263.67 283.73,224.02 284.28,223.47 285.54,223.47 286.16,224.09 286.16,263.16 287.02,264.03 289.2,264.03 290.13,263.09 290.13,224.09 290.83,223.4 293.4,223.4 293.88,223.88 293.88,237.1 294.65,237.86 295.88,237.86 296.95,236.8 296.95,224.58 307.3,214.23 316.78,214.23 317.61,215.06 v1(317.61,215.73)
D10916: length 457
  TOP w0.086: v1(324.54,216.6) 324.99,217.05 324.99,222.5 326.31,223.82 326.31,231.4 326.23,231.48 SITE2.11
  L03_SIGNAL w0.071: v1(389.02,238.32) 389.49,238.79 389.49,240.25 397.5,248.25 397.5,309.21 384.95,321.75 384.95,328.79 D109.16
  L28_SIGNAL w0.071: v1(389.02,238.32) 389.49,238.79 389.49,239.75 390.26,240.51 393.65,240.51 394.86,239.3 394.86,237.95 400.71,232.1 412.56,232.1 418.54,238.08 418.54,249.3 425.19,255.95 474.08,255.95 484.66,245.38 484.66,202.98 483.47,201.8 479.76,201.8 476.67,198.7 375.73,198.7 372.68,201.75 372.68,208.58 371.08,210.17 364.26,210.17 362.68,211.75 333.16,211.75 331.97,212.94 327.19,212.94 325.01,215.12 325.01,216.12 v1(324.54,216.6)
D11001: length 833.7
  TOP w0.086: v1(359.29,255.88) 358.81,256.36 349.82,256.36 345.58,252.11 344.06,252.11 343.98,252.03 SITE2.85
  L07_SIGNAL w0.071: D110.01 420.46,354.24 418.68,354.24 418.52,354.4 418.52,357.65 419.51,358.65 421.57,358.65 427.34,352.88 427.34,329.96 411.44,314.06 411.44,248.4 402.95,239.91 402.95,238.79 v1(402.48,238.32)
  L30_SIGNAL w0.071: v1(359.29,255.88) 358.82,256.35 355.87,256.35 354.29,254.77 354.29,241.74 361.51,234.52 447.48,234.52 450.97,238.01 463.1,238.01 463.54,237.56 556.32,237.56 570.21,251.45 570.21,375.31 569.66,375.86 567.95,375.86 567.13,375.04 567.13,249.7 556.97,239.54 485.76,239.54 484.79,240.51 464.02,240.51 463.58,240.95 451.43,240.95 445.74,235.26 405.12,235.26 402.95,237.43 402.95,237.84 v1(402.48,238.32)
D11002: length 833.7
  TOP w0.086: SITE2.93 337.83,257.78 337.75,257.86 337.75,258.68 343.34,264.27 343.34,268.49 v1(343.79,268.93)
  L07_SIGNAL w0.071: D110.02 416.65,348.07 416.65,338.65 417.95,337.35 417.95,328.32 408.3,318.66 408.3,249.13 404.11,244.94 400.51,244.94 398.04,242.47 398.04,237.95 401.18,234.81 419.74,234.81 451.19,266.27 451.19,294.5 454.89,298.21 537.93,298.21 570.82,265.32 570.82,165.94 547.2,142.32 465.03,142.32 444.88,162.47 444.88,217.59 433.77,228.69 396.91,228.69 393.72,231.88 393.72,242.57 398.86,247.72 402.98,247.72 404.78,249.52 404.78,251.98 402.95,253.8 402.95,254.1 v1(402.48,254.57)
  L32_SIGNAL w0.071: v1(402.48,254.57) 402.95,254.1 402.95,253.32 402.31,252.68 381.51,252.68 380.07,254.12 380.07,258.51 377.03,261.55 356.58,261.55 354.26,259.23 345.64,259.23 343.31,261.56 343.31,268.46 v1(343.79,268.93)
D11003: length 833.7
  TOP w0.086: v1(359.29,257.02) 358.87,256.6 349.73,256.6 345.48,252.35 344.06,252.35 343.98,252.43 SITE2.86
  L07_SIGNAL w0.071: v1(403.63,238.32) 403.15,238.79 403.15,239.83 411.63,248.31 411.63,313.98 427.53,329.88 427.53,352.96 421.65,358.84 419.43,358.84 418.32,357.74 418.32,354.82 D110.03
  L30_SIGNAL w0.071: v1(403.63,238.32) 403.15,237.84 403.15,237.51 405.21,235.46 445.66,235.46 451.35,241.15 463.66,241.15 464.1,240.71 484.88,240.71 485.84,239.74 556.88,239.74 566.93,249.79 566.93,375.13 567.86,376.06 569.74,376.06 570.41,375.39 570.41,251.37 556.4,237.36 463.46,237.36 463.01,237.81 451.05,237.81 447.57,234.33 361.43,234.33 354.09,241.66 354.09,254.85 355.79,256.55 358.82,256.55 v1(359.29,257.02)
D11004: length 833.7
  TOP w0.086: SITE2.94 337.43,257.78 337.51,257.86 337.51,258.78 343.1,264.37 343.1,268.47 v1(342.64,268.93)
  L07_SIGNAL w0.071: D110.04 416.46,348.08 416.46,338.57 417.76,337.27 417.76,328.4 408.1,318.74 408.1,249.21 404.03,245.14 400.43,245.14 397.84,242.56 397.84,237.87 401.09,234.61 419.82,234.61 451.39,266.18 451.39,294.42 454.98,298.01 537.85,298.01 570.62,265.24 570.62,166.02 547.11,142.52 465.12,142.52 445.08,162.56 445.08,217.67 433.86,228.89 396.99,228.89 393.92,231.96 393.92,242.49 398.95,247.52 403.06,247.52 404.98,249.43 404.98,252.06 403.15,253.88 403.15,254.1 v1(403.63,254.57)
  L32_SIGNAL w0.071: v1(403.63,254.57) 403.15,254.1 403.15,253.23 402.4,252.48 381.43,252.48 379.87,254.04 379.87,258.43 376.94,261.35 356.66,261.35 354.34,259.03 345.56,259.03 343.12,261.48 343.12,268.46 v1(342.64,268.93)
D11005: length 833.7
  TOP w0.086: SITE2.83 343.98,251.23 344.06,251.31 346.53,251.31 349.61,254.39 355.8,254.39 v1(356.24,253.95)
  L07_SIGNAL w0.071: v1(402.48,251.9) 402.95,252.37 402.95,252.37 402.95,252.84 402.67,253.13 401.33,253.13 397.5,256.97 397.5,306.16 376.45,327.2 376.45,358.24 382.71,364.49 403.22,364.49 408.64,359.07 408.64,355.9 D110.05
  L30_SIGNAL w0.071: v1(356.24,253.95) 355.77,254.42 355.47,254.42 355.12,254.06 355.12,245.25 363.88,236.49 398.24,236.49 401.47,239.72 404.12,239.72 407.53,236.31 444.95,236.31 450.7,242.06 556.77,242.06 565.36,250.65 565.36,371.51 565.03,371.83 563.39,371.83 562.96,371.41 562.96,250.59 556.18,243.81 486.06,243.81 484.62,245.25 451.33,245.25 443.41,237.33 407.88,237.33 403.85,241.36 403.85,249.41 402.95,250.31 402.95,251.43 v1(402.48,251.9)
D11006: length 833.7
  TOP w0.086: SITE2.91 338.63,257.78 338.55,257.86 338.55,258.23 344.35,264.04 344.35,265.37 345.28,266.31 345.28,266.78 v1(345.72,267.21)
  L07_SIGNAL w0.071: v1(402.48,268.16) 402.95,267.69 402.95,266.86 403.5,266.31 405.48,266.31 407.72,268.56 407.72,337.67 407.18,338.21 407.18,348.76 D110.06
  L32_SIGNAL w0.071: v1(345.72,267.21) 345.24,267.69 345.24,270.21 345.96,270.93 365.35,270.93 365.69,271.27 378.16,271.27 383.11,266.32 417.12,266.32 426.73,256.71 426.73,225.06 436.55,215.24 436.55,52.65 456.07,33.13 521.78,33.13 526.82,38.18 526.82,83.79 517.17,93.44 455.34,93.44 442.3,106.49 442.3,246.73 419.81,269.22 403.2,269.22 402.95,268.97 402.95,268.63 v1(402.48,268.16)
D11007: length 833.7
  TOP w0.086: v1(356.24,255.09) 355.78,254.63 349.51,254.63 346.43,251.55 344.06,251.55 343.98,251.63 SITE2.84
  L07_SIGNAL w0.071: D110.07 408.44,355.1 408.44,358.99 403.13,364.29 382.79,364.29 376.65,358.15 376.65,327.28 397.69,306.24 397.69,257.05 401.42,253.33 402.75,253.33 403.15,252.92 403.15,252.37 403.16,252.37 v1(403.63,251.9)
  L30_SIGNAL w0.071: v1(403.63,251.9) 403.15,251.43 403.15,250.39 404.05,249.5 404.05,241.44 407.96,237.53 443.33,237.53 451.25,245.45 484.7,245.45 486.14,244.01 556.1,244.01 562.76,250.68 562.76,371.49 563.3,372.03 565.12,372.03 565.56,371.59 565.56,250.56 556.85,241.86 450.78,241.86 445.04,236.12 407.44,236.12 404.04,239.52 401.55,239.52 398.33,236.29 363.8,236.29 354.92,245.17 354.92,254.14 355.39,254.62 355.77,254.62 v1(356.24,255.09)
D11008: length 833.7
  TOP w0.086: v1(344.57,267.21) 345.04,266.74 345.04,266.4 344.11,265.47 344.11,264.13 338.31,258.33 338.31,257.86 338.23,257.78 SITE2.92
  L07_SIGNAL w0.071: D110.08 405.06,349.32 406.29,349.32 406.98,348.63 406.98,338.13 407.52,337.59 407.52,268.64 405.39,266.51 403.58,266.51 403.15,266.94 403.15,267.69 v1(403.63,268.16)
  L32_SIGNAL w0.071: v1(344.57,267.21) 345.04,267.69 345.04,270.3 345.88,271.13 365.27,271.13 365.61,271.47 378.24,271.47 383.19,266.52 417.2,266.52 426.93,256.79 426.93,225.14 436.75,215.32 436.75,52.74 456.15,33.33 521.7,33.33 526.62,38.26 526.62,83.7 517.08,93.24 455.26,93.24 442.1,106.4 442.1,246.65 419.73,269.02 403.28,269.02 403.15,268.89 403.15,268.63 v1(403.63,268.16)
D11009: length 833.7
  TOP w0.086: v1(339.93,268.93) 339.46,268.47 339.46,267.3 338.7,266.53 338.7,264.43 335.75,261.48 335.75,257.86 335.83,257.78 SITE2.98
  L05_SIGNAL w0.071: D110.09 398.89,355.49 398.89,359 396.04,361.85 382.74,361.85 377.85,356.97 377.85,327.64 397.87,307.62 397.87,274.96 400.78,272.06 402.61,272.06 402.95,271.71 402.95,270.79 v1(402.48,270.32)
  L32_SIGNAL w0.071: v1(402.48,270.32) 402.95,270.79 402.95,271.88 402.77,272.06 397.66,272.06 394.23,268.64 384.88,268.64 380.74,272.78 380.74,302.74 399.33,321.34 444.7,321.34 449.97,316.07 554.07,316.07 558.37,320.38 558.37,343.45 556.84,344.98 499.57,344.98 498.39,346.16 498.39,347.77 499.85,349.23 558.42,349.23 558.95,349.76 558.95,350.88 558.22,351.61 434.92,351.61 425.42,342.12 379.21,342.12 376.17,339.08 376.17,303.53 379.83,299.87 379.83,284.54 378.07,282.77 373.93,282.77 373.33,282.17 373.33,279.01 367.61,273.29 340.98,273.29 339.45,271.76 339.45,269.4 v1(339.93,268.93)
D11010: length 833.7
  TOP w0.086: v1(341.86,267.21) 341.41,266.77 341.41,263.74 336.95,259.28 336.95,257.86 337.03,257.78 SITE2.95
  L07_SIGNAL w0.071: D110.10 397,348.74 397,342.64 397.68,341.96 397.68,325.81 406.42,317.06 406.42,282.7 405.88,282.16 403.7,282.16 402.95,282.9 402.95,283.44 v1(402.48,283.91)
  L32_SIGNAL w0.071: v1(341.86,267.21) 341.38,267.69 341.38,271.07 342.6,272.28 366.18,272.28 366.37,272.09 378.86,272.09 383.47,267.47 395.22,267.47 397.32,269.57 405.35,269.57 407.36,271.58 423.55,271.58 445.17,249.96 445.17,115.69 463.03,97.83 562.84,97.83 571.04,106.03 571.04,281.38 563.31,289.11 431.74,289.11 428.75,286.13 422.75,286.13 421.16,287.72 410.76,287.72 408.33,285.29 403.22,285.29 402.95,285.03 402.95,284.38 v1(402.48,283.91)
D11011: length 833.7
  TOP w0.086: SITE2.99 335.43,257.78 335.51,257.86 335.51,261.58 338.46,264.53 338.46,266.63 339.22,267.39 339.22,268.49 v1(338.78,268.93)
  L05_SIGNAL w0.071: D110.11 398.69,355.51 398.69,358.92 395.95,361.65 382.82,361.65 378.05,356.89 378.05,327.72 398.07,307.71 398.07,275.05 400.86,272.25 402.69,272.25 403.15,271.79 403.15,270.79 v1(403.63,270.32)
  L32_SIGNAL w0.071: v1(403.63,270.32) 403.15,270.79 403.15,271.96 402.86,272.26 397.58,272.26 394.15,268.84 384.96,268.84 380.94,272.86 380.94,302.66 399.41,321.14 444.62,321.14 449.88,315.87 554.15,315.87 558.57,320.3 558.57,343.53 556.92,345.18 499.65,345.18 498.58,346.25 498.58,347.69 499.93,349.04 558.5,349.04 559.15,349.68 559.15,350.97 558.3,351.81 434.83,351.81 425.34,342.32 379.13,342.32 375.97,339.16 375.97,303.45 379.64,299.79 379.64,284.62 377.98,282.97 373.85,282.97 373.13,282.25 373.13,279.09 367.53,273.49 340.9,273.49 339.26,271.84 339.26,269.4 v1(338.78,268.93)
D11012: length 833.7
  TOP w0.086: SITE2.96 336.63,257.78 336.71,257.86 336.71,259.38 341.17,263.84 341.17,266.75 v1(340.71,267.21)
  L07_SIGNAL w0.071: D110.12 394.88,349.34 396.16,349.34 396.8,348.7 396.8,342.55 397.48,341.88 397.48,325.72 406.22,316.98 406.22,282.78 405.79,282.36 403.78,282.36 403.15,282.98 403.15,283.44 v1(403.63,283.91)
  L32_SIGNAL w0.071: v1(403.63,283.91) 403.15,284.38 403.15,284.94 403.3,285.09 408.41,285.09 410.84,287.52 421.07,287.52 422.67,285.93 428.84,285.93 431.82,288.91 563.23,288.91 570.84,281.3 570.84,106.11 562.76,98.03 463.11,98.03 445.37,115.77 445.37,250.04 423.63,271.78 407.28,271.78 405.26,269.77 397.24,269.77 395.14,267.67 383.56,267.67 378.94,272.29 366.46,272.29 366.26,272.48 342.52,272.48 341.19,271.15 341.19,267.69 v1(340.71,267.21)
D11013: length 833.7
  TOP w0.086: SITE2.133 317.68,253.23 317.6,253.15 316.94,253.15 311.22,258.87 304.75,258.87 v1(304.31,259.31)
  L07_SIGNAL w0.071: v1(402.48,286.32) 402.95,286.79 402.95,287.71 402.7,287.96 400.24,287.96 399.6,288.6 399.6,308.25 379.27,328.58 379.27,356.13 382.59,359.45 387.78,359.45 388.56,358.68 388.56,355.32 389.35,354.53 389.69,354.53 D110.13
  L32_SIGNAL w0.071: v1(304.31,259.31) 303.83,258.84 302.73,258.84 301.98,259.59 301.98,267.77 304.46,270.26 312.59,270.26 313.89,271.57 313.89,275.9 316.09,278.1 345.5,278.1 354.58,287.17 354.58,408.67 362.72,416.81 571.65,416.81 574.14,414.32 574.14,301.22 570.52,297.61 515.78,297.61 508.89,304.5 445.75,304.5 431.62,290.36 408.99,290.36 406.91,288.28 403.32,288.28 402.95,287.92 402.95,286.79 v1(402.48,286.32)
D11014: length 833.7
  TOP w0.086: v1(317.43,269.15) 316.97,268.69 316.97,264.24 322.55,258.66 322.55,257.86 322.63,257.78 SITE2.131
  L07_SIGNAL w0.071: D110.14 387.33,349.23 385.97,349.23 385.55,348.81 385.55,345.86 390.01,341.4 390.01,328.86 400.51,318.36 400.51,299.22 401.24,298.49 402.25,298.49 402.95,299.19 402.95,299.44 v1(402.48,299.91)
  L32_SIGNAL w0.071: v1(402.48,299.91) 402.95,300.38 402.95,305.56 407.64,310.24 556.04,310.24 566.22,320.42 566.22,377.81 564.41,379.62 492.97,379.62 492.49,380.1 492.49,381.52 493.01,382.04 566.95,382.04 567.4,382.49 567.4,382.93 566.86,383.47 366.18,383.47 360.28,377.57 360.28,300.61 369,291.89 369,280.49 364.67,276.16 319.35,276.16 316.95,273.76 316.95,269.62 v1(317.43,269.15)
D11015: length 833.7
  TOP w0.086: SITE2.134 317.68,252.83 317.6,252.91 316.84,252.91 311.12,258.63 304.77,258.63 v1(304.31,258.17)
  L07_SIGNAL w0.071: D110.15 388.36,355.34 388.36,358.59 387.7,359.25 382.67,359.25 379.47,356.05 379.47,328.66 399.8,308.33 399.8,288.68 400.32,288.16 402.79,288.16 403.15,287.79 403.15,286.79 v1(403.63,286.32)
  L32_SIGNAL w0.071: v1(304.31,258.17) 303.83,258.64 302.65,258.64 301.78,259.51 301.78,267.85 304.38,270.46 312.5,270.46 313.7,271.65 313.7,275.99 316,278.3 345.42,278.3 354.38,287.25 354.38,408.75 362.64,417.01 571.73,417.01 574.33,414.4 574.33,301.14 570.61,297.41 515.7,297.41 508.81,304.3 445.84,304.3 431.7,290.16 409.07,290.16 407,288.09 403.4,288.09 403.15,287.84 403.15,286.79 v1(403.63,286.32)
D11016: length 833.7
  TOP w0.086: SITE2.132 322.23,257.78 322.31,257.86 322.31,258.56 316.73,264.14 316.73,268.71 v1(316.28,269.15)
  L07_SIGNAL w0.071: D110.16 385.35,348.71 385.35,345.78 389.81,341.32 389.81,328.77 400.31,318.27 400.31,299.14 401.15,298.29 402.34,298.29 403.15,299.11 403.15,299.44 v1(403.63,299.91)
  L32_SIGNAL w0.071: v1(316.28,269.15) 316.75,269.62 316.75,273.84 319.27,276.36 364.58,276.36 368.8,280.58 368.8,291.81 360.08,300.53 360.08,377.65 366.1,383.66 566.95,383.66 567.6,383.01 567.6,382.4 567.03,381.84 493.09,381.84 492.69,381.44 492.69,380.18 493.05,379.82 564.49,379.82 566.42,377.89 566.42,320.34 556.12,310.04 407.72,310.04 403.15,305.48 403.15,300.38 v1(403.63,299.91)
D11101: length 833.7
  TOP w0.086: v1(359.29,247.66) 358.84,248.11 344.06,248.11 343.98,248.03 SITE2.75
  L07_SIGNAL w0.071: D111.01 419.74,375.28 419.15,375.28 418.42,376.01 418.42,378.14 419.69,379.41 420.87,379.41 436.55,363.73 436.55,292.46 431.96,287.87 417.35,287.87 416.92,287.45 416.92,286.79 v1(416.45,286.32)
  L30_SIGNAL w0.071: v1(416.45,286.32) 416.93,286.8 416.93,287.18 416.08,288.02 416.08,294.44 418.69,297.05 418.69,300.03 417.91,300.81 413.78,300.81 411.58,298.61 411.58,254.57 415.38,250.77 426.06,250.77 442.15,266.86 442.15,340.06 452.66,350.57 481.18,350.57 481.69,351.08 481.69,352.38 481.09,352.98 457.53,352.98 457,353.51 457,354.91 457.81,355.73 547.17,355.73 558.47,344.43 558.47,300.57 556.14,298.24 556.14,254.4 550.92,249.18 470.25,249.18 468.89,250.55 451.12,250.55 442.71,242.14 409.35,242.14 408.07,243.41 408.07,252.3 404.82,255.54 395.61,255.54 394.31,256.84 394.31,265.53 392.2,267.64 382.48,267.64 381.08,266.24 381.08,250.42 378.79,248.13 359.76,248.13 v1(359.29,247.66)
D11102: length 678.6
  L07_SIGNAL w0.071: v1(416.45,299.91) 416.92,299.44 416.92,298.81 417.23,298.51 418.64,298.51 419.39,299.26 419.39,314.72 431.36,326.68 431.36,352.52 417.58,366.3 417.58,369.32 D111.02
  L30_SIGNAL w0.071: v1(416.45,299.91) 416.92,299.44 416.92,298.08 413.88,295.03 413.88,273.24 412.89,272.26 412.89,254.31 414.53,252.68 424.92,252.68 440.69,268.45 440.69,340.92 457.47,357.7 546.73,357.7 559.27,345.16 559.27,297.74 558.49,296.97 558.49,255.62 550.83,247.95 450.26,247.95 442.37,240.07 409.18,240.07 407.34,241.9 407.34,251.24 404.84,253.74 395.61,253.74 393.54,255.81 393.54,264.83 391.43,266.95 385.23,266.95 384.04,265.76 384.04,262.08 384.6,261.52 388.42,261.52 388.49,261.45 v1(388.49,257.11)
D11103: length 833.7
  TOP w0.086: v1(359.29,248.8) 358.84,248.35 344.06,248.35 343.98,248.43 SITE2.76
  L07_SIGNAL w0.071: D111.03 418.23,375.05 418.23,378.22 419.61,379.61 420.96,379.61 436.75,363.81 436.75,292.38 432.04,287.68 417.43,287.68 417.12,287.36 417.12,286.79 v1(417.6,286.32)
  L30_SIGNAL w0.071: v1(417.6,286.32) 417.13,286.79 417.13,287.26 416.28,288.11 416.28,294.36 418.89,296.97 418.89,300.12 417.99,301.01 413.7,301.01 411.38,298.7 411.38,254.49 415.3,250.58 426.15,250.58 442.35,266.78 442.35,339.98 452.74,350.37 481.26,350.37 481.89,351 481.89,352.46 481.17,353.18 457.61,353.18 457.19,353.6 457.19,354.83 457.9,355.53 547.09,355.53 558.27,344.34 558.27,300.65 555.94,298.32 555.94,254.48 550.84,249.38 470.33,249.38 468.97,250.74 451.04,250.74 442.63,242.33 409.43,242.33 408.27,243.5 408.27,252.38 404.9,255.74 395.69,255.74 394.51,256.92 394.51,265.61 392.28,267.84 382.4,267.84 380.88,266.32 380.88,250.5 378.7,248.33 359.76,248.33 v1(359.29,248.8)
D11104: length 678.6
  L07_SIGNAL w0.071: D111.04 414.94,369.92 417.05,369.92 417.38,369.59 417.38,366.22 431.16,352.44 431.16,326.77 419.19,314.8 419.19,299.34 418.56,298.71 417.31,298.71 417.12,298.89 417.12,299.44 v1(417.6,299.91)
  L30_SIGNAL w0.071: v1(388.49,265.11) 388.49,261.79 388.42,261.72 384.68,261.72 384.24,262.16 384.24,265.68 385.31,266.75 391.34,266.75 393.34,264.75 393.34,255.73 395.53,253.54 404.76,253.54 407.14,251.16 407.14,241.82 409.1,239.87 442.45,239.87 450.34,247.76 550.91,247.76 558.69,255.54 558.69,296.89 559.46,297.66 559.46,345.24 546.81,357.9 457.39,357.9 440.49,341 440.49,268.54 424.84,252.88 414.61,252.88 413.09,254.4 413.09,272.18 414.07,273.16 414.07,294.95 417.12,298 417.12,299.44 v1(417.6,299.91)
